# Altium PCB PIF_robot.PcbDoc (part 1 of 2) (continued)
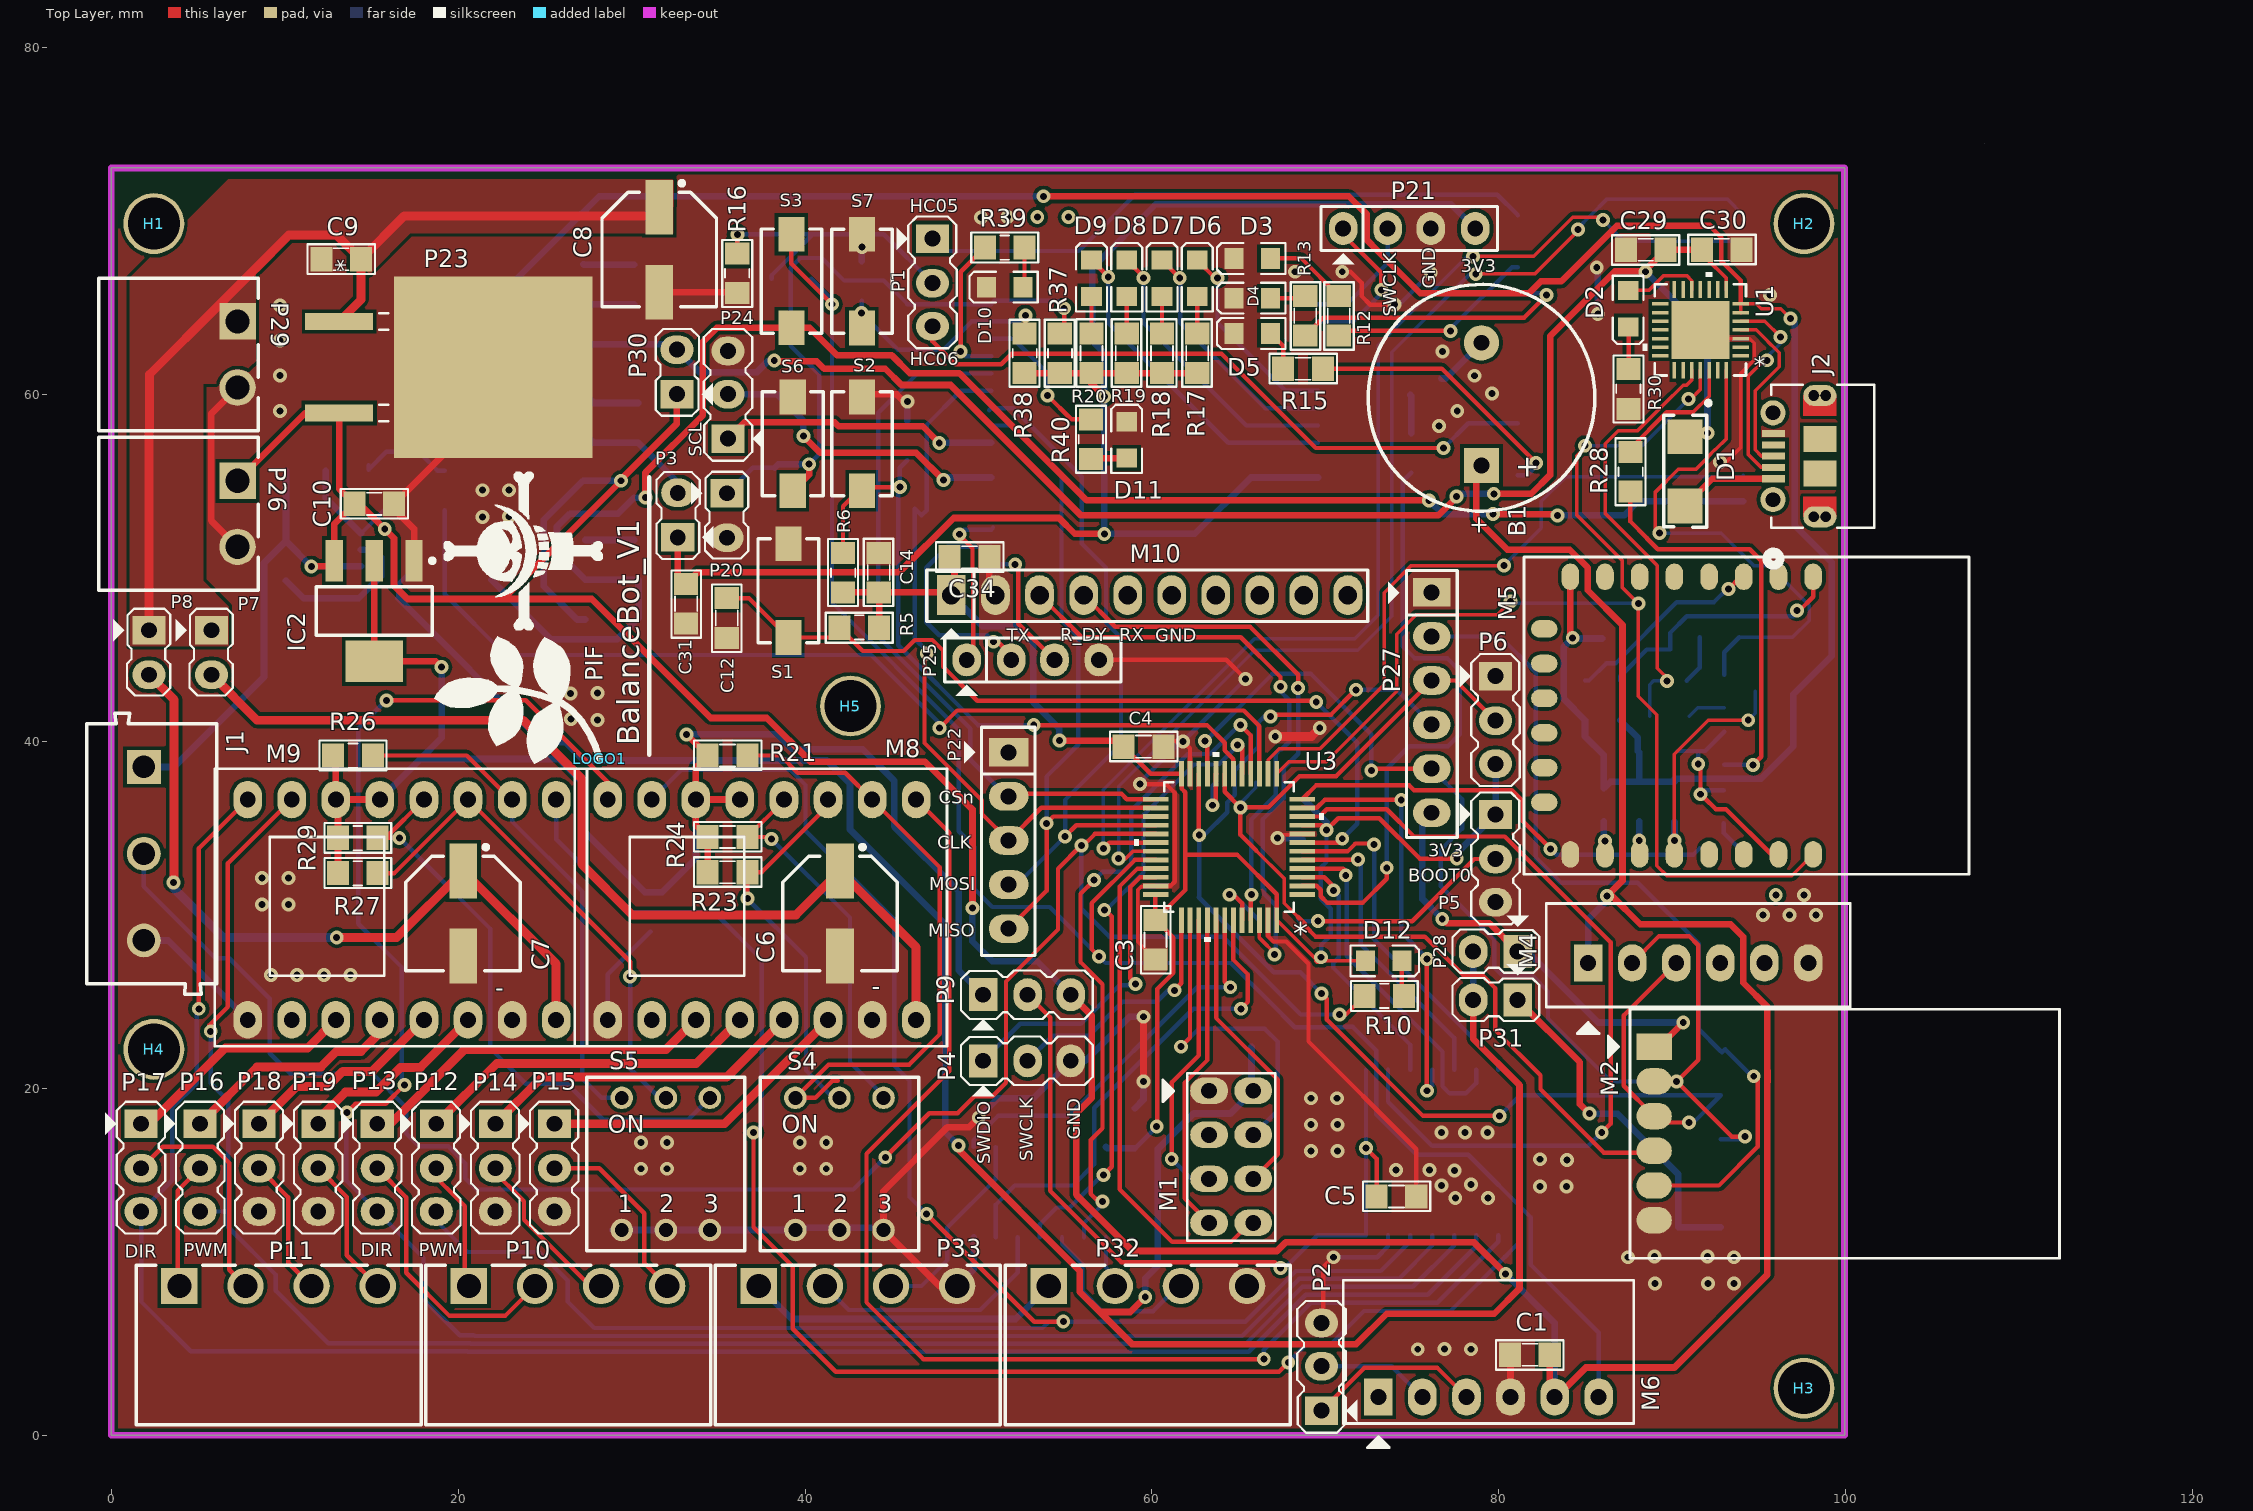
[diagram p0: Top Layer view]
## Components (designator, comment, footprint, x,y, rotation, side; value= is the part's Value field where it differs from the comment) (continued)
R28 "Res-1K-0805" RES-SM-0805 87.579,56.688 r270 top value=1K
R29 "Res-1K-0805" RES-SM-0805 15.367,34.442 r180 top value=1K
R30 "Res-1K-0805" RES-SM-0805 87.478,59.177 r90 top value=1K
R31 "Res-12K-0805" RES-SM-0805 93.854,45.999 r180 bottom value=12K
R32 "Res-12K-0805" RES-SM-0805 90.971,41.453 r180 bottom value=12K
R33 "Res-4.7K-0805" RES-SM-0805 12.368,55.615 r180 bottom value=4.7K
R34 "Res-100K-0805" RES-SM-0805 19.226,53.329 r90 bottom value=100K
R37 "Res-10k-0805" RES-SM-0805 54.686,63.52 r270 top value=10K
R38 "Res-10k-0805" RES-SM-0805 52.654,63.52 r270 top value=10K
R39 "Res-1K-0805" RES-SM-0805 52.654,68.473 r180 top value=1K
R40 "Res-1K-0805" RES-SM-0805 56.49,56.281 r90 top value=1K
S1 "434113043826" 434113043826 39.04,48.691 r90 top
S2 "434113043826" 434113043826 43.282,57.15 r90 top
S3 "434113043826" 434113043826 39.218,66.539 r90 top
S4 "418117170903" 418117170903 41.986,15.646 r0 top locked
S5 "418117170903" 418117170903 31.979,15.646 r0 top
S6 "434113043826" 434113043826 39.294,57.15 r90 top locked
S7 "434113043826" 434113043826 43.282,66.532 r90 top
U1 "" CP2102-GM 91.618,63.723 r180 top locked
U2 "DWM1001" DWM1001 69.571,66.212 r180 bottom locked
U3 "STM32F103C8T6" LQFP-48 64.445,33.92 r180 top locked
U4 "74HC245D,652" SOT163-1_NEX 78.054,16.306 r270 bottom
U5 "XC6204B332MR" XC6204/05_SOT-00 15.797,51.043 r0 bottom
U6 "74HC14D,652" SOT108-1_NEX 53.543,14.02 r90 bottom

## Footprints (in the part's own frame and the unit in brackets; to place one, negate y for a bottom-side part, rotate by r counter-clockwise, add the part's x,y. Pads: shape width x height; smd on the part's side, far side on the other; paste and mask are expansions set on the pad)
418117170903 [mm] "2.54 mm compact THT with flat actuator, 3p"
  round 1.3 hole 0.8: 1(-2.54,-3.81) 2(0,-3.81) 3(2.54,-3.81) 4(2.54,3.81) 5(0,3.81) 6(-2.54,3.81)
  silkscreen extent -4.56,-5 4.56,5, body extent -4.46,-4.95 4.46,4.95, height 5.75
434113043826 [mm] "SMD Tact Switch, body 6x3.5mm"
  rect 2x1.5 smd: 1(-2.7,0) 2(2.7,0)
  silkscreen extent -3,-1.75 3,1.75, body extent -3.65,-1.75 3.65,1.75, height 4.3
691102710003 [mm] "5,00mm - modular - blue - Horizontal entry with pressure clamp - 9,9 mm height - 03p"
  rect 1.95x1.95 hole 1.3: 1(-5,-0.45)
  round 1.95 hole 1.3: 2(0,-0.45) 3(5,-0.45)
  silkscreen extent -8.1,-3.75 8.1,3.75, body extent -8.1,-3.75 8.1,3.75, height 9.96
691322310002 [mm] "Horizontal PCB Header, pitch 3.81mm, 02p"
  rect 2.1x2.1 hole 1.4: 1(-1.905,3.4)
  round 2.1 hole 1.4: 2(1.905,3.4)
  silkscreen extent -4.4,-4.6 4.41,4.6, body extent -4.4,-4.6 4.41,4.6, height 7.25
691322310004 [mm] "Horizontal PCB Header, pitch 3.81mm, 04p"
  rect 2.1x2.1 hole 1.4: 1(-5.715,3.4)
  round 2.1 hole 1.4: 2(-1.905,3.4) 3(1.905,3.4) 4(5.715,3.4)
  silkscreen extent -8.21,-4.6 8.22,4.6, body extent -8.21,-4.6 8.21,4.6, height 7.25
BUZZER [mil] "Buzzer"
  rect 80x80 hole 36: 1(1.27,0)
  round 80 hole 36: 2(280,0)
  silkscreen extent -102,-257 412,257
CAP-SM-0805 [mil]
  rect 50x55 smd: 1(0,0) 2(90,0)
  silkscreen extent -32,-34 121,33, body extent 6,-25 84,25, height 31
CAP-SM-AL-SIZE-D-D6L6 [mm] "WH6.6"
  rect 3.15x1.6 smd: 1(-2.45,0) 2(2.45,0)
  silkscreen extent -3.95,-3.3 3.3,3.3, body extent -3.9,-3.4 3.9,3.4, height 5.7
CAP_SM_TAN [mil]
  rect 49.98x87 smd: 1(-65,0) 2(65,0)
  silkscreen extent -78,-64 78,64, body extent -73,-60 73,58, height 85
CONN_105017-0001 [mil]
  rect 16x53 smd: 1(-51.18,112) 2(-25.59,112) 3(0,112) 4(25.59,112) 5(51.18,112)
  round 57 hole 33: 6(-98.43,112.98) 7(98.43,112.98)
  rect 59x75 smd: 10(-39.37,6.69) 11(39.37,6.69)
  oval 48x75 hole 1 mask+0: S_1(-137.8,6.69) S_2(137.8,6.69)
  round 24 hole 24: S_1_H1(-137.8,20.19) S_1_H2(-137.8,-6.81) S_2_H1(137.8,20.19) S_2_H2(137.8,-6.81)
  Top Layer region: -91.8,-30.81 -91.8,44.19 -137.8,44.19 -137.8,-30.81
  Top Layer region: 91.8,-30.81 91.8,44.19 137.8,44.19 137.8,-30.81
  Multi-Layer lines w24: -137.8,20.19 -137.8,-6.81 ; 137.8,20.19 137.8,-6.81
  silkscreen extent -247,-117 162,127, body extent -161,-95 161,118, height 108
CP2102-GM [mil]
  rect 38x8 smd paste+0 mask+0: 1(-91.5,59.06) 2(-91.5,39.37) 3(-91.5,19.68) 4(-91.5,0) 5(-91.5,-19.69) 6(-91.5,-39.37) 7(-91.5,-59.06) 15(91.5,-59.06) 16(91.5,-39.37) 17(91.5,-19.69) 18(91.5,0) 19(91.5,19.68) 20(91.5,39.37) 21(91.5,59.06)
  rect 8x38 smd paste+0 mask+0: 8(-59.06,-91.5) 9(-39.37,-91.5) 10(-19.69,-91.5) 11(0,-91.5) 12(19.69,-91.5) 13(39.37,-91.5) 14(59.06,-91.5) 22(59.06,91.5) 23(39.37,91.5) 24(19.69,91.5) 25(0,91.5) 26(-19.69,91.5) 27(-39.37,91.5) 28(-59.06,91.5)
  rect 132x132 smd paste-65.5 mask+0: 29(0,0)
  silkscreen extent -104,-130 130,104, body extent -98,-98 99,99, height 37
D2PAK_STM [mil]
  rect 39x154 smd paste+0 mask+0: 1(-103.94,-349.5) 3(103.94,-349.5)
  rect 411x451 smd paste+0 mask+0: 4(0,0)
  silkscreen extent -122,-258 122,-239, body extent -204,-378 204,153, height 181
DRV8825 [mil]
  oval 85x65 hole 36: 1(0,0) 2(0,100) 3(0,200) 4(0,300) 5(0,400) 6(0,500) 7(0,600) 8(0,700) 9(500,700) 10(500,600) 11(500,500) 12(500,400) 13(500,300) 14(500,200) 15(500,100) 16(500,0)
  silkscreen extent -70,-75 560,770, body extent -45,-50 545,750, height 598
DWM1001 [mm]
  rect 2.54x0.65 smd paste+0 mask+0: 1(0,0) 2(0,-1) 3(0,-2) 4(0,-3) 5(0,-4) 6(0,-5) 7(0,-6) 8(0,-7) 9(0,-8) 10(0,-9) 11(0,-10) 12(0,-11) 13(0,-12) 14(0,-13) 15(0,-14) 16(0,-15) 17(0,-16) 18(18.84,-16) 19(18.84,-15) 20(18.84,-14) 21(18.84,-13) 22(18.84,-12) 23(18.84,-11) 24(18.84,-10) 25(18.84,-9) 26(18.84,-8) 27(18.84,-7) 28(18.84,-6) 29(18.84,-5) 30(18.84,-4) 31(18.84,-3) 32(18.84,-2) 33(18.84,-1) 34(18.84,0)
  silkscreen extent -1.65,-17.65 20.57,9.65, body extent -0.17,-17.15 18.96,8.97, height 3.2
ESP8266-12F [mil]
  oval 60x40 smd: 1(0,551.18) 2(0,472.44) 3(0,393.7) 4(0,314.96) 5(0,236.22) 6(0,157.48) 7(0,78.74) 8(0,0) 15(629.92,0) 16(629.92,78.74) 17(629.92,157.48) 18(629.92,236.22) 19(629.92,314.96) 20(629.92,393.7) 21(629.92,472.44) 22(629.92,551.18)
  oval 40x60 smd: 9(118.11,-59.06) 10(196.85,-59.06) 11(275.59,-59.06) 12(354.33,-59.06) 13(433.07,-59.06) 14(511.81,-59.06)
  silkscreen extent -45,-105 675,905, body extent 0,-59 630,886, height 104
GY9250 [mil] "JP8"
  rect 65x90 hole 42: 1(0,0)
  oval 65x90 hole 42: 2(100,0) 3(200,0) 4(300,0) 5(400,0) 6(500,0) 7(600,0) 7(800,0) 8(700,0) 8(900,0)
  silkscreen extent -56,-100 945,57, body extent -50,-61 950,530, height 267
HC-12 [mil]
  oval 80x60 smd: 1(0,0) 2(0,100) 3(0,200) 4(0,300) 5(0,400)
  silkscreen extent -1100,-450 125,480, body extent -1081,-65 9,459, height 1020
"HC-0506 SMD" [mil]
  oval 60x40 smd: 1(0,708.66) 2(0,649.61) 3(0,590.55) 4(0,531.5) 5(0,472.44) 6(0,413.39) 7(0,354.33) 8(0,295.28) 9(0,236.22) 10(0,177.17) 11(0,118.11) 12(0,59.06) 13(0,0) 22(511.81,0) 23(511.81,59.06) 24(511.81,118.11) 25(511.81,177.17) 26(511.81,236.22) 27(511.81,295.28) 28(511.81,354.33) 29(511.81,413.39) 30(511.81,472.44) 31(511.81,531.5) 32(511.81,590.55) 33(511.81,649.61) 34(511.81,708.66)
  oval 40x60 smd: 14(49.21,-68.9) 15(108.27,-68.9) 16(167.32,-68.9) 17(226.38,-68.9) 18(285.43,-68.9) 19(344.49,-68.9) 20(403.54,-68.9) 21(462.6,-68.9)
  silkscreen extent -50,-115 565,1050, body extent -20,-70 532,1033, height 93
"HC-0506 TH" [mil]
  rect 85x65 hole 36: 1(0,0)
  oval 85x65 hole 36: 2(0,100) 3(0,200) 4(0,300) 5(0,400) 6(0,500)
  silkscreen extent -265,-80 115,580, body extent -247,-64 11,566, height 1678
Holybro-Radio [mil]
  rect 85x65 hole 36: 1(0,0)
  oval 85x65 hole 36: 2(0,100) 3(0,200) 4(0,300) 5(0,400) 6(0,500)
  silkscreen extent -135,-95 160,595, body extent -132,-92 98,592, height 284
JP2 [mil]
  rect 65x75 hole 36: 1(0,0)
  oval 65x75 hole 36: 2(101,0)
  silkscreen extent -49,-81 148,48, body extent -48,-50 148,48, height 323
JP3 [mil] "Jumper 3"
  rect 65x75 hole 36: 1(-100,0)
  oval 65x75 hole 36: 2(1,0) 3(99,0)
  silkscreen extent -150,-81 149,55, body extent -150,-60 150,55, height 355
JP4 [mil] "Jumper 4"
  oval 65x75 hole 36: 1(-100,0) 2(1,0) 3(99,0) 4(200,0)
  silkscreen extent -150,-81 250,50, body extent -148,-48 248,50, height 323
JP5 [mil] "JP5"
  rect 65x90 hole 36: 1(0,0)
  oval 65x90 hole 36: 2(100,0) 3(200,0) 4(300,0) 5(400,0)
  silkscreen extent -57,-101 461,60, body extent -48,-53 448,45, height 323
JP6 [mil] "JP6"
  rect 65x85 hole 36: 1(0,0)
  oval 65x85 hole 36: 2(100,0) 3(200,0) 4(300,0) 5(400,0) 6(500,0)
  silkscreen extent -50,-99 556,58, body extent -48,-50 548,48, height 323
LC12S [mil]
  rect 80x60 smd: 1(0,0)
  oval 80x60 smd: 2(0,78.74) 3(0,157.48) 4(0,236.22) 5(0,314.96) 6(0,393.7)
  silkscreen extent -920,-85 105,480, body extent -908,-71 9,469, height 79
LED_0805_Blue [mm] "Chip LED, 2-Leads, Body 2.0x1.3mm, IPC Medium Density"
  rect 1.1x1.2 smd: 1(-1.05,0) 2(1.05,0)
  silkscreen extent -1.91,-0.89 2.03,0.89, body extent -1,-0.63 1,0.62, height 0.68
"LO KHOAN 3MM"#1 [mil]
  round 138 hole 118.1: 1(-89,1)
"LO KHOAN 3MM"#2 [mil]
  round 138 hole 118.1: 1(-120,39.24)
"LO KHOAN 3MM"#3 [mil]
  round 138 hole 118.1: 1(-211,37)
"LO KHOAN 3MM"#4 [mil]
  round 138 hole 118.1: 1(13,-37)
"LO KHOAN 3MM"#5 [mil]
  round 138 hole 118.1: 1(0,0)
LQFP-48 [mil]
  rect 58x11 smd: 1(-166,108.27) 2(-166,88.58) 3(-166,68.9) 4(-166,49.21) 5(-166,29.53) 6(-166,9.84) 7(-166,-9.84) 8(-166,-29.53) 9(-166,-49.21) 10(-166,-68.9) 11(-166,-88.58) 12(-166,-108.27) 25(166,-108.27) 26(166,-88.58) 27(166,-68.9) 28(166,-49.21) 29(166,-29.53) 30(166,-9.84) 31(166,9.84) 32(166,29.53) 33(166,49.21) 34(166,68.9) 35(166,88.58) 36(166,108.27)
  rect 11x58 smd: 13(-108.27,-166) 14(-88.58,-166) 15(-68.9,-166) 16(-49.21,-166) 17(-29.53,-166) 18(-9.84,-166) 19(9.84,-166) 20(29.53,-166) 21(49.21,-166) 22(68.9,-166) 23(88.58,-166) 24(108.27,-166) 37(108.27,166) 38(88.58,166) 39(68.9,166) 40(49.21,166) 41(29.53,166) 42(9.84,166) 43(-9.84,166) 44(-29.53,166) 45(-49.21,166) 46(-68.9,166) 47(-88.58,166) 48(-108.27,166)
  silkscreen extent -215,-215 215,215, body extent -181,-181 181,181, height 66
NRF24L01 [mil]
  oval 86x60 hole 36: 1(0,0) 2(-100,0) 3(0,100) 4(-100,100) 5(0,200) 6(-100,200) 7(0,300) 8(-100,300)
  silkscreen extent -150,-40 105,340, body extent -2827,-150 86,451, height 3861
"PIF LOGO BIG SSTOP" [mil]
  rect 15x15 smd: 1(11,14)
  silkscreen extent 0,14 289,389
RES-SM-0805 [mil]
  rect 50x55 smd: 1(0,0) 2(90,0)
  silkscreen extent -31,-34 121,34, body extent -5,-24 95,25, height 20
SOT23_NEX [mil]
  rect 22x52 smd paste+0 mask+4: 1(-37.5,-37.21) 2(37.5,-37.21) 3(0,33.36)
  silkscreen extent -85,-50 64,33, body extent -59,-54 59,44, height 43
SOT108-1_NEX [mil]
  rect 67x21 smd paste+0 mask+0: 1(-102.5,150) 2(-102.5,100) 3(-102.5,50) 4(-102.5,0) 5(-102.5,-50) 6(-102.5,-100) 7(-102.5,-150) 8(102.5,-150) 9(102.5,-100) 10(102.5,-50) 11(102.5,0) 12(102.5,50) 13(102.5,100) 14(102.5,150)
  silkscreen extent -84,-177 156,177, body extent -122,-172 122,172, height 69
SOT163-1_NEX [mil]
  rect 71x21 smd paste+0 mask+0: 1(-188,225) 2(-188,175) 3(-188,125) 4(-188,75) 5(-188,25) 6(-188,-25) 7(-188,-75) 8(-188,-125) 9(-188,-175) 10(-188,-225) 11(188,-225) 12(188,-175) 13(188,-125) 14(188,-75) 15(188,-25) 16(188,25) 17(188,75) 18(188,125) 19(188,175) 20(188,225)
  silkscreen extent -244,-261 244,261, body extent -209,-256 209,256, height 104
SOT223 [mm] "SOT223, 4-Leads, Body 6.5x3.5mm, Pitch 2.3mm, Lead Span 7mm, IPC Medium Density"
  rect 2.4x1 smd: 1(-2.9,2.3) 2(-2.9,0) 3(-2.9,-2.3)
  rect 2.4x3.3 smd: 4(2.9,0)
  silkscreen extent -3.03,-3.35 1.4,3.47, body extent -3.39,-3.27 3.5,3.23, height 1.72
SS14 [mm] "DO-214-AC/SMA Molded Diode, Body 5.3x2.6mm, IPC Medium Density"
  rect 1.999x1.999 smd: 1(-2,0) 2(2,0)
  silkscreen extent -4.06,-1.22 3.23,1.47, body extent -2.75,-1.4 2.75,1.4, height 2.3
XC6204/05_SOT-00 [mil]
  rect 60x21 smd: 1(-54.75,37.4) 2(-54.75,0) 3(-54.75,-37.4) 4(54.75,-37.4) 5(54.75,37.4)
  silkscreen extent -38,-62 38,62, body extent -56,-57 54,57, height 51

## Part data
C1 C2 C3 C4 C5 C12 C13 C17 C20 C21 C22 C23 C24 C26 C28 C30 C31 C32 C33 C34: "CAP CER 0.1UF 50V Y5V 0805", Manufacturer="Samsung Electro-Mechanics", Manufacturer Part Number=CL21F104ZBCNNNC, Supplier 1 Part Number=1276-1007-1-ND, Local Supplier=thegioiic, Local Supplier Link=https://thegioiic.com/products/tu-100nf-0-1uf-50v-0805, Supplier 1=Digikey, Supplier 1 Link=https://www.digikey.com/product-detail/en/samsung-electro-mechanics/CL21F104ZBCNNNC/1276-1007-1-ND/3889093
C6 C7 C8: "CAP ALUM 100UF 20% 16V SMD", Manufacturer=Nichicon, Manufacturer Part Number=UWX1C101MCL1GB, Supplier 1 Part Number=493-2105-1-ND, Local Supplier=thegioiic, Local Supplier Link=https://thegioiic.com/products/tu-nhom-smd-100uf-16v-d6-3l5-4, Supplier 1=Digikey, Supplier 1 Link=https://www.digikey.com/product-detail/en/nichicon/UWX1C101MCL1GB/493-2105-1-ND/590080
C9 C10 C11 C14 C15 C16 C18 C19 C27 C29: "CAP CER 10UF 50V X5R 0805", Manufacturer=Yageo, Manufacturer Part Number=CC0805KKX5R9BB106, Supplier 1 Part Number=311-3499-2-ND, Local Supplier=thegioiic, Local Supplier Link=https://thegioiic.com/products/tu-10uf-50v-0805, Supplier 1=Digikey, Supplier 1 Link=https://www.digikey.com/product-detail/en/yageo/CC0805KKX5R9BB106/311-3499-2-ND/7164383
C25: library part Cap-Tan-100uF-16V, Manufacturer=Nichicon, Manufacturer Part Number=UWX1C101MCL1GB, Supplier 1 Part Number=493-2105-1-ND, Local Supplier=icdayroi, Local Supplier Link=https://icdayroi.com/tu-tantalum-100uf-16v-smd6032, Supplier 1=Digikey, Supplier 1 Link=https://www.digikey.com/product-detail/en/nichicon/UWX1C101MCL1GB/493-2105-1-ND/590080
D1: library part Diode-SS14, "DIODE SCHOTTKY 40V 1A SMA", Manufacturer="ON Semiconductor", Supplier 1 Part Number=SS14CT-ND, Local Supplier=thegioiic, Local Supplier Link=https://thegioiic.com/products/ss14-sma, Manufacturer Part Number=SS14, Supplier 1=Digikey, Supplier 1 Link=https://www.digikey.com/product-detail/en/on-semiconductor/SS14/SS14CT-ND/965729
D2 D5 D6 D7 D10 D11 D12: "LED RED CLEAR T-1 T/H", Manufacturer=Kingbright, Manufacturer Part Number=WP710A10SEC/J3, Supplier 1 Part Number=754-1589-ND, Local Supplier=thegioiic, Local Supplier Link=https://thegioiic.com/products/led-do-3mm-chan-dai, Supplier 1=Digikey, Supplier 1 Link=https://www.digikey.com/product-detail/en/kingbright/WP710A10SEC-J3/754-1589-ND/2769815
D3 D9: "LED GREEN CLEAR T-1 T/H", Manufacturer=Kingbright, Manufacturer Part Number=WP710A10ZGC/G, Supplier 1 Part Number=754-1612-ND, Local Supplier=thegioiic, Local Supplier Link=https://thegioiic.com/products/led-xanh-la-3mm-chan-dai, Supplier 1=Digikey, Supplier 1 Link=https://www.digikey.com/product-detail/en/kingbright/WP710A10ZGC-G/754-1612-ND/2769684
H1 H2 H3 H4 H5: "Hole 3mm"
IC1 IC2 IC3 IC4: "Available in 1.8V, 2.5V, 2.85V, 3.3V, 5V, and  Adjustable Versions"
J1: "WR-TBL Serie 102 Horizontal Entry Modular, Pressure Clamp, pitch 5mm, 3p", Operating Temperature="-40 to +105degC", Rated Current [UL]=15A, Working Voltage [UL]=250VAC, Application="Pressure Clamp", Compliance="Lead free / RoHS", ComponentLink1Description=Manufacturer, ComponentLink1URL=http://www.we-online.de, ComponentLink2Description=Datasheet, ComponentLink2URL=https://katalog.we-online.de/em/datasheet/691102710003.pdf, Modularity=Yes, Mounting Technology=THT, Packaging=Box, Part Number=691102710003, PCB/Cable/Panel=PCB, Pin Number=3, Pitch=5mm, Published Date="October 2019", Publisher="Wurth Elektronik", Type=Horizontal
J2 U3: "No Description Available", Copyright="Copyright (C) 2018 Accelerated Designs. All rights reserved", RefDes=RefDes, Type=DEV
  J2: Built_By=EMA_Cory, Datasheet=https://www.molex.com/pdm_docs/sd/1050170001_sd.pdf, Manufacturer_Part_Number=105017-0001, SourceLibrary=Molex_2020-05-26, Vendor="Molex Connector Corporation"
  U3: Built_By=EMA_UL_Team, Manufacturer_Part_Number=STM32F103C8T6, SourceLibrary=StMicro_2011-06-07, Vendor=STMicroelectronics
M1: Local Supplier Part Number=HS000888, Local Supplier=HShop, Local Supplier Link=https://hshop.vn/products/mach-thu-phat-nrf24l01-pa-2-4ghzcu-khech-dai-cung-suat-thu-phat
M2: Local Supplier Part Number=HS00095, Local Supplier=HShop, Local Supplier Link=https://hshop.vn/products/mach-thu-phat-rf-uart-lc12s-2-4ghz?fbclid=IwAR3h1hU0io-Cc4GBL9Q-KMB_-TKtvE-b63OAEmRNHthVrXHliy_JpDId3Yg
M3: Local Supplier Part Number=HS000897, Local Supplier=HShop, Local Supplier Link=https://hshop.vn/products/mach-thu-phat-rf-uart-si4463-433mhzkhoang-coch-1km
M5: Local Supplier Part Number=HS000912, Local Supplier=HShop, Local Supplier Link=https://hshop.vn/products/mach-thu-phat-wifi-soc-esp8266-v12
M6: Local Supplier Part Number=HS000882, Local Supplier=HShop, Local Supplier Link=https://hshop.vn/products/mach-thu-phat-bluetooth-hc-05-do-ra-chon-master
M7: Local Supplier Part Number=HS000881, Local Supplier=HShop, Local Supplier Link=https://hshop.vn/products/mach-thu-phat-bluetooth-hc-05-chua-ra-chon-master
M8 M9: Local Supplier Part Number=HS000686, Local Supplier=HShop, Local Supplier Link=https://hshop.vn/products/mach-dieu-khien-dong-co-buoc-drv8825
P1 P2 P4 P5 P6 P9 P12 P13 P14 P15 P16 P17 P18 P19 P24: "Header, 3-Pin", LatestRevisionDate=17-Jul-2002, LatestRevisionNote="Re-released for DXP Platform.", Publisher="Altium Limited"
P3 P7 P8 P20 P28 P30 P31: "Header, 2-Pin", LatestRevisionDate=17-Jul-2002, LatestRevisionNote="Re-released for DXP Platform.", Publisher="Altium Limited"
P10 P11 P32 P33: "WR-TBL Serie 322 Horizontal PCB Header, Pluggable, pitch 3.81mm, 4p", Operating Temperature="-40 to +105degC", Rated Current [UL]=10A, Working Voltage [UL]=300VAC, Application=Pluggable, Compliance=RoHS, ComponentLink1Description=Manufacturer, ComponentLink1URL=http://www.we-online.de, ComponentLink2Description=Datasheet, ComponentLink2URL=https://katalog.we-online.de/em/datasheet/691322310004.pdf, Modularity=No, Mounting Technology=THT, Packaging=Box, Part Number=691322310004, PCB/Cable/Panel=PCB, Pin Number=4, Pitch=3.81mm, Published Date="October 2019", Publisher="Wurth Elektronik", Type=Horizontal
P21 P25: "Header, 4-Pin", LatestRevisionDate=17-Jul-2002, LatestRevisionNote="Re-released for DXP Platform.", Publisher="Altium Limited"
P22: "Header, 5-Pin", LatestRevisionDate=17-Jul-2002, LatestRevisionNote="Re-released for DXP Platform.", Publisher="Altium Limited"
P26 P29: "WR-TBL Serie 322 Horizontal PCB Header, Pluggable, pitch 3.81mm, 2p", Operating Temperature="-40 to +105degC", Rated Current [UL]=10A, Working Voltage [UL]=300VAC, Application=Pluggable, Compliance=RoHS, ComponentLink1Description=Manufacturer, ComponentLink1URL=http://www.we-online.de, ComponentLink2Description=Datasheet, ComponentLink2URL=https://katalog.we-online.de/em/datasheet/691322310002.pdf, Modularity=No, Mounting Technology=THT, Packaging=Box, Part Number=691322310002, PCB/Cable/Panel=PCB, Pin Number=2, Pitch=3.81mm, Published Date="October 2019", Publisher="Wurth Elektronik", Type=Horizontal
P27: "Header, 6-Pin", LatestRevisionDate=17-Jul-2002, LatestRevisionNote="Re-released for DXP Platform.", Publisher="Altium Limited"
Q1 Q2: "P-Channel 20V 3.7A (Ta) 1.3W (Ta) Surface Mount Micro3™/SOT-23"
R1 R2 R3 R4 R22 R31 R32: "RES 12 KOHM JUMPER 0805", Manufacturer="Vishay Thin Film", Manufacturer Part Number=PAT0805E3121BST1, Supplier 1 Part Number=PAT0805E3121BST1-ND, Local Supplier=icdayroi, Local Supplier Link=https://icdayroi.com/dien-tro-12k-0805-1-goi-50-con, Supplier 1=Digikey, Supplier 1 Link=https://www.digikey.com/product-detail/en/vishay-thin-film/PAT0805E3121BST1/PAT0805E3121BST1-ND/2281536
R5 R6 R16 R37 R38: "RES 10K OHM 1% 1/4W 0805", Manufacturer="Stackpole Electronics Inc", Manufacturer Part Number=RNCP0805FTD10K0, Supplier 1 Part Number=RNCP0805FTD10K0CT-ND, Local Supplier=thegioiic, Local Supplier Link=https://thegioiic.com/products/dien-tro-10k-ohm-0805-5, Supplier 1=Digikey, Supplier 1 Link=https://www.digikey.com/product-detail/en/stackpole-electronics-inc/RNCP0805FTD10K0/RNCP0805FTD10K0CT-ND/2240601
R7: "RES 15K OHM 1% 1/4W 0805", Manufacturer="TE Connectivity Passive Product", Manufacturer Part Number=CRGCQ0805F15K, Supplier 1 Part Number=A129763CT-ND, Local Supplier=thegioiic, Local Supplier Link=https://thegioiic.com/products/dien-tro-15k-ohm-0805-1, Supplier 1=Digikey, Supplier 1 Link=https://www.digikey.com/product-detail/en/te-connectivity-passive-product/CRGCQ0805F15K/A129763CT-ND/8577595
R8 R9 R34: "RES 0 OHM JUMPER 0805", Manufacturer="Vishay Dale", Manufacturer Part Number=WSL080500000ZEA9, Supplier 1 Part Number=541-3928-1-ND, Local Supplier=thegioiic, Local Supplier Link=https://thegioiic.com/products/dien-tro-0-ohm-0805-5, Supplier 1=Digikey, Supplier 1 Link=https://www.digikey.com/product-detail/en/vishay-dale/WSL080500000ZEA9/541-3928-1-ND/7423223
R10 R11 R17 R18 R19 R20 R21 R23 R24 R25 R26 R27 R28 R29 R30 R39 R40: "RES 1K OHM 1% 1/4W 0805", Manufacturer="Stackpole Electronics Inc", Manufacturer Part Number=RNCP0805FTD1K00, Supplier 1 Part Number=RNCP0805FTD1K00CT-ND, Local Supplier=thegioiic, Local Supplier Link=https://thegioiic.com/products/dien-tro-1k-ohm-0805-5, Supplier 1=Digikey, Supplier 1 Link=https://www.digikey.com/product-detail/en/stackpole-electronics-inc/RNCP0805FTD1K00/RNCP0805FTD1K00CT-ND/2240568
R12 R13 R15: "RES 470 OHM JUMPER 0805", Manufacturer=YAG6006CT-ND, Manufacturer Part Number=PE0805FRF7W0R047L, Local Supplier=thegioiic, Local Supplier Link=https://www.thegioiic.com/products/dien-tro-470-kohm-0805-5, Supplier 1=Digikey, Supplier 1 Link=https://www.digikey.com/product-detail/en/yageo/PE0805FRF7W0R047L/YAG6006CT-ND/9696460, Supplier 1 Part Number=YAG6006CT-ND
R14: "RES SMD 2.2K OHM 1% 1/8W 0805", Manufacturer="TE Connectivity Passive Product", Manufacturer Part Number=CRG0805F2K2, Supplier 1 Part Number=A106060CT-ND, Local Supplier=thegioiic, Local Supplier Link=https://thegioiic.com/products/dien-tro-2-2k-ohm-0805-5, Supplier 1=Digikey, Supplier 1 Link=https://www.digikey.com/product-detail/en/te-connectivity-passive-product/CRG0805F2K2/A106060CT-ND/3477706
R33: "RES SMD 4.7K OHM 5% 1/8W 0805", Manufacturer=Yageo, Manufacturer Part Number=RC0805JR-074K7L, Supplier 1 Part Number=311-4.7KARCT-ND, Local Supplier=thegioiic, Local Supplier Link=https://thegioiic.com/products/dien-tro-4-7k-ohm-0805-5, Supplier 1=Digikey, Supplier 1 Link=https://www.digikey.com/product-detail/en/yageo/RC0805JR-074K7L/311-4.7KARCT-ND/731274
S1 S2 S3 S6 S7: "WS-TASV J-Bend SMT Tact Switch 6x3.5mm, height 4.3mm, 260gf", Operating Temperature="-40 to +85degC", Rated Current=50mA, Rated Voltage=12VDC, ComponentLink1Description=Manufacturer, ComponentLink1URL=http://www.we-online.de, ComponentLink2Description=Datasheet, ComponentLink2URL=https://katalog.we-online.com/em/datasheet/434113043826.pdf, Contact Material="Stainless Steel", Contact Plating=Silver, Height=4.3mm, Mounting Technology=SMT, Operation Force=260gf, Packaging="Tape and Reel", Part Number=434113043826, Published Date="September 2019", Publisher="Wurth Elektronik", Terminal Material="Copper Alloy", Terminal Plating=Silver, Washable=No
S4 S5: "WS-DITV Compact THT Dip Switch, Flat Actuator, pitch 2.54mm, 3p", Operating Temperature="-40 to +85degC", Rated Current Non-Switching=100mA, Rated Current Switching=25mA, Rated Voltage Non-Switching=50VDC, Rated Voltage Switching=24VDC, Actuator Type="Flat Type", Circuit=SPST-NO, ComponentLink1Description=Manufacturer, ComponentLink1URL=http://www.we-online.de, ComponentLink2Description=Datasheet, ComponentLink2URL=https://katalog.we-online.com/em/datasheet/418117170903.pdf, Contact Material="Copper Alloy", Contact Plating=Gold, Mounting Technology=THT, Operation Force=800g, Packaging=Tube, Part Number=418117170903, Pitch=2.54mm, Pole Number=3, Published Date="September 2019", Publisher="Wurth Elektronik"
U1: library part CP2102-GM, "No Description Available", Built_By=EMA_UL_Team, Copyright="Copyright (C) 2018 Accelerated Designs. All rights reserved", Manufacturer_Part_Number=CP2102-GM, RefDes=RefDes, SourceLibrary=Silicon_Labs_2015-03-23, Type=DEV, Vendor="Silicon Labs"
M4: Local Supplier Link=https://www.lazada.vn/products/ld-holybro-433mhz-915-mhz-500-mw-thu-phat-vo-tuyen-xa-bo-v3-cho-pixhawk-4-dieu-khien-chuyen-bay-i430804435-s768474304.html?spm=a2o4n.searchlist.list.4.25396b19yIS9XO&search=1
M10: Local Supplier=HShop
U5: Built_By=EMA_UL_Team, Copyright="Copyright (C) 2018 Accelerated Designs. All rights reserved", Manufacturer_Part_Number=XC6204B332MR, RefDes=RefDes, SourceLibrary=Torex_2016-07-05_1, Type=DEV, Vendor="Torex Semiconductor"

## Via types
v1: diameter 0.8, hole 0.4, Top Layer to Bottom Layer, tented both sides, 240 vias
v2: diameter 0.8, hole 0.4, Top Layer to Bottom Layer, 2 vias

## Nets (pads, with @x,y where several pads share a name; then routed paths per layer and width w, separated by ;. In a path a pad name is that pad's centre, name@x,y a point inside that pad or via, vN(x,y) a via of type N, cw(c..) or ccw(c..) an arc to the next point about the centre after c; other vN are vias at no path point)
3V3: 
3V3_BLU: C19.2 IC4.2 IC4.4 M7.12 S3.1 | length 100.7
  Top Layer w0.381: v1(30.805,54.056) 30.805,55.494 34.112,58.801 34.112,63.043 34.908,63.839 S3.1@39.218,63.839 40.276,63.839 41.859,62.255 45.009,62.255 46.036,61.228 48.902,61.228 56.236,53.894 v1(75.971,53.894) ; v1(79.654,53.106) 83.312,53.106 v1(83.388,53.03)
  Bottom Layer w0.381: IC4.4@21.916,49.326 25.345,45.897 29.184,45.897 30.404,47.117 C19.2@30.404,49.326 IC4.2@27.716,49.326 27.335,49.326 25.705,50.956 25.705,52.381 26.46,53.136 29.235,53.136 30.155,54.056 v1(30.805,54.056) ; v1(75.971,53.894) 76.759,53.106 v1(79.654,53.106) ; v1(83.388,53.03) 87.224,53.03 88.035,53.842 M7.12@94.082,53.842
3V3_DWM: C16.2 IC3.2 IC3.4 P3.2 | length 12.3
  Bottom Layer w0.381: IC3.4@21.916,57.327 IC3.2@27.716,57.327 27.817,57.226 C16.2@30.378,57.226 32.664,54.94 P3.2@32.664,54.331
3V3_DWM_M: C31.2 P3.1 P21.4 R17.2 R18.2 R19.2 R20.2 R37.2 R38.2 U2.12 | length 94.3
  Top Layer w0.381: P3.1@32.664,51.765 32.664,49.555 C31.2@33.147,49.073 33.833,49.759 45.448,49.759 48.572,52.883 54.635,52.883 55.55,51.968 v1(57.252,51.968) ; R38.2@52.654,61.234 R37.2@54.686,61.234 ; R37.2@54.686,61.133 R37.2@54.686,61.234 ; v1(57.252,59.893) 56.515,60.63 R20.2@56.515,61.234 ; R17.2@62.611,61.234 R18.2@60.579,61.234 R19.2@58.547,61.234 R20.2@56.515,61.234 ; R37.2@54.686,61.234 R20.2@56.515,61.234
  Bottom Layer w0.381: v1@57.429,59.893 v1(57.252,59.893) ; U2.12@69.571,55.212 65.707,55.212 62.464,51.968 v1(57.252,51.968) v1(57.252,59.893) ; P21.4@78.638,69.565 77.241,70.962 60.223,70.962 56.566,67.305 56.566,63.068 57.252,62.382 v1(57.252,59.893)
3V3_ENC: P32.1 P33.1 | length 18.3
  Bottom Layer w0.381: P33.1@37.338,8.607 39.239,6.706 52.15,6.706 P32.1@54.051,8.607
3V3_MC: C15.2 IC2.2 IC2.4 M8.3 M8.4 M9.3 M9.4 P9.1 R21.2 R23.2 R24.2 R26.2 R27.2 R29.2 | length 92.4
  Top Layer w0.381: R26.2@12.802,39.191 12.954,39.039 M9.3@12.954,36.651 ; R27.2@13.081,32.41 R29.2@13.081,34.442 13.081,36.524 M9.3@12.954,36.651 ; IC2.2@15.164,50.42 IC2.4@15.164,44.62 18.711,44.62 v1(19.05,44.28) ; M9.4@15.494,36.651 M9.3@12.954,36.651 ; v1(33.172,40.411) R21.2@34.392,39.191 33.706,38.506 M8.3@33.706,36.651 ; R23.2@34.392,32.46 R24.2@34.392,34.492 33.706,35.178 M8.3@33.706,36.651 ; M8.4@36.309,36.766 36.195,36.651 M8.3@33.706,36.651
  Bottom Layer w0.381: M9.4@15.494,36.651 17.832,38.989 ; v1(19.05,44.28) 19.05,40.207 17.832,38.989 ; v1(33.172,40.411) 38.38,40.411 39.243,39.548 43.332,39.548 45.136,37.744 45.136,35.103 48.863,31.375 48.863,26.803 P9.1@50.267,25.4 ; M8.3@33.706,36.651 33.706,33.249 31.775,31.317 C15.2@31.09,31.317 30.76,31.317 27.102,34.976 27.102,37.694 25.806,38.989 17.832,38.989
3V3_MCU: C2.2 C3.2 C4.2 C14.2 C24.2 C34.2 D12.1 M10.1 P5.1 P6.3 R5.2 R6.2 U3.9 U3.24 U3.36 U3.48 U6.14 | length 98.3
  Top Layer w0.203: U3.48@67.195,29.704 69.544,27.355 D12.1@72.305,27.355
  Top Layer w0.254: M10.1@48.285,48.589 M10.1@48.438,48.437 ; C4.2@58.369,39.7 59.933,38.137 U3.24@61.695,38.137 61.725,38.107 61.725,37.263 61.919,37.07 61.919,33.477 ; U3.36@60.229,31.17 60.198,31.14 C3.2@60.198,29.718 ; v1(60.274,17.801) 60.299,17.825 60.299,25.73 61.238,26.67 61.238,28.678 C3.2@60.198,29.718 ; U3.48@67.195,29.704 67.188,29.711 67.188,31.194 64.905,33.477 61.919,33.477 ; U3.9@68.662,35.17 69.798,35.17 v1(70.063,34.906) 70.736,35.579 73.103,35.579 75.433,33.249 v1(77.572,33.249) ; C3.2@60.198,29.718 61.919,31.439 61.919,33.477
  Top Layer w0.279: v1@60.242,17.833 v1(60.274,17.801)
  Top Layer w0.381: R6.2@42.189,48.589 C14.2@44.249,48.589 ; R5.2@44.272,46.557 44.272,48.567 C14.2@44.249,48.589 ; M10.1@48.285,48.589 C14.2@44.249,48.589 ; M10.1@48.616,48.437 C34.2@48.616,50.464 ; v1(54.661,40.045) 58.025,40.045 C4.2@58.369,39.7 ; v1@69.544,27.355 v1(69.748,27.559)
  Bottom Layer w0.254: v1(69.748,27.559) 69.748,28.264 70.301,28.816 70.301,30.353 69.723,30.931 69.723,32.715 70.063,33.055 v1(70.063,34.906)
  Bottom Layer w0.279: C24.2@59.004,16.56 59.033,16.56 v1(60.274,17.801)
  Bottom Layer w0.381: M10.1@48.438,48.437 50.228,46.647 52.159,46.647 53.162,45.644 53.162,42.25 54.661,40.751 v1(54.661,40.045) ; U6.14@57.353,16.623 57.417,16.56 C24.2@59.004,16.56 ; C2.2@68.758,36.651 70.063,35.346 v1(70.063,34.906) ; v1(77.572,33.249) 77.419,33.401 P5.1@79.807,35.789 P6.3@79.807,38.71
3V3_RF: C18.2 C20.2 M1.2 P28.2 P31.2 U5.5 | length 136.9
  Top Layer w0.381: v1(48.844,16.713) 48.844,16.471 55.829,9.486 55.829,8.28 56.998,7.112 ; v1(59.614,7.976) 58.75,7.112 56.998,7.112 ; P31.2@78.511,25.095 78.511,22.865 81.185,20.192 81.185,8.465 79.731,7.01 73.533,7.01 71.78,5.258 58.852,5.258 56.998,7.112
  Bottom Layer w0.254: C18.2@16.559,48.249 16.559,49.078 17.187,49.707 U5.5@17.187,50.093
  Bottom Layer w0.381: C18.2@16.559,48.249 24.854,39.954 26.187,39.954 27.241,38.9 41.262,38.9 42.596,37.567 42.596,34.925 48.082,29.439 48.082,17.475 v1(48.844,16.713) ; v1(59.614,7.976) 59.614,9.042 60.344,9.773 60.344,16.503 62.395,18.554 64.529,18.554 M1.2@65.837,19.862 ; M1.2@65.735,19.964 C20.2@65.735,22.401 ; P31.2@78.511,25.095 P28.2@78.511,27.889
3V3_WIFI: C11.2 C25.1 C27.2 C28.2 IC1.2 IC1.4 M5.8 R1.1 R2.1 R3.1 R22.1 R25.1 U1.6 U1.7 | length 152.5
  Top Layer w0.203: U1.6@93.942,64.723 U1.7@93.942,65.223 94.842,65.223 95.124,64.942 96.248,64.942 v1(96.806,64.384)
  Top Layer w0.254: v1@84.115,46.112 v1(84.253,45.974) ; 92.155,69.718 92.82,69.053 92.82,67.692 93.942,66.57 U1.7@93.942,65.223
  Top Layer w0.381: v2(53.746,71.425) 71.343,71.425 72.365,70.404 72.365,68.933 73.019,68.279 73.019,68.276 75.463,65.832 81.732,65.832 82.424,66.524 83.603,66.524 86.797,69.718 92.155,69.718 ; v1@84.115,46.112 M5.8@84.115,49.49
  Bottom Layer w0.381: C11.2@30.15,65.201 IC1.2@27.716,65.201 IC1.4@21.916,65.201 28.14,71.425 v2(53.746,71.425) ; C25.1@85.955,45.934 84.293,45.934 v1(84.253,45.974) 83.745,45.466 83.745,42.443 R2.1@84.964,41.224 84.964,40.291 C28.2@86.052,39.203 C27.2@86.052,37.298 86.433,37.679 R1.1@88.09,37.679 ; R3.1@86.996,41.224 88.012,40.208 R25.1@88.012,39.446 88.09,39.369 R1.1@88.09,37.679 ; v1(96.806,64.384) 97.053,64.136 97.053,52.451 99.187,50.317 99.187,44.925 96.979,42.717 96.979,39.726 95.105,37.852 94.326,37.852 94.319,37.859 90.146,37.859 R22.1@90.146,37.679 R1.1@88.09,37.679
5V: B1.1 C1.2 C10.2 C17.2 C22.2 IC2.3 IC3.3 IC4.3 J1.1 M4.1 M6.5 P9.3 P23.3 P26.1 P30.1 R33.2 U5.1 | length 262.2
  Top Layer w0.381: P26.1@7.29,55.026 11.192,58.929 P23.3@13.144,58.929 13.144,54.571 C10.2@14.021,53.695 ; v1(11.54,50.093) 12.537,50.093 IC2.3@12.864,50.42 12.864,52.538 C10.2@14.021,53.695 ; v1(29.403,55.027) 22.585,48.209 ; v1@29.591,55.296 32.614,58.318 P30.1@32.614,60.02 ; v1(49.657,30.404) 49.657,36.081 46.901,38.837 40.31,38.837 37.795,41.351 34.569,41.351 27.711,48.209 22.585,48.209 ; P9.3@55.321,25.4 56.54,24.181 56.54,19.456 55.626,18.542 55.626,13.889 58.886,10.629 67.211,10.629 67.707,11.125 78.562,11.125 v1(80.391,9.296) ; B1.1@78.994,55.9 78.695,55.602 78.695,52.851 80.493,51.054 84.08,51.054 85.117,50.018 85.117,48.717 87.122,46.712 87.122,31.979 v1(86.233,31.09) 86.512,31.09 88.145,29.457 93.352,29.457 94.082,28.727 94.082,26.086 95.479,24.689 95.479,21.036 95.485,21.03 95.485,20.372 95.479,20.366 95.479,9.271 90.119,3.912 85.014,3.912 83.312,2.21 M6.5@83.21,2.21 83.21,2.632 82.931,2.911 C1.2@82.931,4.648 ; M6.5@83.566,1.677 83.566,2.363 M6.5@83.693,2.49 ; C10.2@14.021,53.695 14.326,53.695 v1(15.773,52.248) 16.307,51.714 16.307,48.996 17.093,48.209 22.585,48.209
  Bottom Layer w0.381: J1.1@1.887,38.528 3.628,38.528 8.814,43.713 8.814,50.283 C17.2@10.082,51.551 ; R33.2@10.082,55.615 C17.2@10.082,51.551 ; U5.1@14.406,50.093 v1(11.54,50.093) C17.2@10.082,51.551 ; IC4.3@27.335,47.026 26.862,47.026 24.943,48.945 24.943,52.762 27.208,55.027 IC3.3@27.716,55.027 v1(29.403,55.027) ; v1(49.657,30.404) 49.644,30.404 49.644,28.486 50.8,27.33 53.391,27.33 P9.3@55.321,25.4 ; v1(80.391,9.296) 83.21,6.477 M6.5@83.21,2.21 ; M4.1@85.141,27.229 C22.2@85.141,29.743 86.233,30.836 v1(86.233,31.09)
5V_USB: D1.2 J2.1 | length 5.7
  Top Layer w0.381: D1.2@90.729,53.57 92.302,55.143 J2.1@95.826,55.143
5V_WIFI: C29.2 C30.2 D1.1 IC1.3 P30.2 U1.8 | length 93.9
  Top Layer w0.203: C30.2@91.745,68.372 91.999,68.118 91.999,67.813 93.118,66.694 U1.8@93.118,66.048
  Top Layer w0.381: v1(38.227,61.951) 38.227,61.92 40.671,61.92 41.103,61.488 44.628,61.488 45.567,60.548 48.393,60.548 55.912,53.03 76.505,53.03 77.546,54.071 v1(77.546,54.122) ; v1(79.705,54.275) 81.864,54.275 82.95,55.36 82.95,63.358 86.693,67.102 v1@88.367,67.102 ; v1@88.392,67.127 C29.2@89.611,68.346 91.677,68.346 91.703,68.372 C30.2@91.745,68.372
  Bottom Layer w0.381: IC1.3@27.229,62.901 IC1.3@27.716,62.901 32.298,62.901 P30.2@32.614,62.586 33.909,61.29 37.236,61.29 37.897,61.951 v1(38.227,61.951) ; v1(77.546,54.122) 77.699,54.275 v1(79.705,54.275) ; v1(88.443,67.076) 92.024,63.495 v1(92.024,57.78)
12V: C8.1 C9.1 P7.1 P8.1 P23.1 P29.1 | length 54.8
  Top Layer w0.508: P8.1@2.184,46.406 2.184,57.886 2.21,57.911 2.21,61.154 P29.1@6.291,65.235 ; P29.1@7.29,64.21 6.291,65.209 P29.1@6.291,65.235 ; P23.1@13.144,64.209 14.402,65.466 C9.1@14.402,67.792 ; C8.1@31.598,70.801 31.091,70.295 16.905,70.295 C9.1@14.402,67.792 ; P29.1@6.291,65.235 10.245,69.189 13.005,69.189 C9.1@14.402,67.792
12V_STEP: C6.1 C7.1 M8.9 M9.9 P7.2 P8.2 | length 99.5
  Top Layer w0.508: P8.2@2.184,43.84 3.632,42.393 3.632,31.902 v1(3.607,31.877) ; P7.2@5.791,43.84 8.408,41.223 9.982,41.223 23.75,41.223 27.127,37.846 27.127,32.918 30.051,29.994 39.472,29.994 C6.1@42.012,32.534 46.406,28.14 M8.9@46.406,23.951 ; v1(13.005,28.702) 16.462,28.702 C7.1@20.295,32.534 25.654,27.175 M9.9@25.654,23.951
  Bottom Layer w0.508: v1(3.607,31.877) 3.607,31.547 4.242,30.912 6.452,28.702 v1(13.005,28.702)
BLU_KEY: P1.2 R14.1 R16.2 | length 17.1
  Top Layer w0.254: R16.2@36.093,68.123 36.101,68.13 v1(36.101,69.233)
  Bottom Layer w0.254: v1(36.101,69.233) 40.444,69.233 ; R14.1@38.075,66.666 38.075,66.864 40.444,69.233 ; P1.2@47.346,66.421 44.533,69.233 40.444,69.233
BLU_KEY_HC05: M7.34 P1.1 | length 35.9
  Bottom Layer w0.254: P1.1@46.99,68.27 55.773,68.27 59.024,71.521 79.902,71.521 M7.34@81.082,70.342
BLU_KEY_HC06: M7.26 P1.3 | length 38.5
  Top Layer w0.254: P1.3@47.346,63.932 47.346,63.072 48.669,61.749 49.118,61.749 49.124,61.742 51.308,61.742 51.918,62.352 64.008,62.352 69.444,56.916 v1(76.805,56.916) ; P1.3@47.574,63.932 P1.3@47.786,63.932
  Bottom Layer w0.254: v1(76.805,56.916) 78.231,58.342 M7.26@81.082,58.342
BLUE_ENB: M6.6 R14.2 S3.2 U3.32 | length 106.1
  Top Layer w0.254: S3.2@39.218,69.239 39.218,67.539 v1(41.554,65.202) ; v1(56.947,27.609) 56.521,28.034 56.521,30.674 59.018,33.17 U3.32@60.229,33.17
  Bottom Layer w0.254: R14.2@40.361,66.666 41.554,65.472 v1(41.554,65.202) 41.554,48.006 48.87,40.691 48.87,34.829 49.765,33.934 49.765,31.49 50.8,30.455 54.101,30.455 v1(56.947,27.609) 57.328,27.228 64.529,27.228 66.783,24.974 68.23,23.527 71.118,23.527 71.136,23.545 71.577,23.545 72.936,22.186 72.936,18.503 75.26,16.179 78.228,16.179 81.826,12.581 81.826,9.842 85.75,5.918 M6.6@85.75,2.21
BLUE_RX: M6.2 P2.2 | length 6.8
  Bottom Layer w0.254: P2.2@69.774,3.988 73.812,3.988 M6.2@75.59,2.21 ; M6.2@75.495,1.511 M6.2@75.709,1.549
BLUE_TX: M6.3 P2.1 | length 10.1
  Top Layer w0.254: P2.1@69.774,1.422 72.238,3.886 76.454,3.886 M6.3@78.13,2.21
BOOT0: P5.2 R8.2 | length 12.9
  Top Layer w0.254: v1(69.571,29.642) 75.004,29.642 78.585,33.223 P5.2@79.807,33.223
  Bottom Layer w0.254: R8.2@68.449,29.704 68.576,29.577 68.641,29.642 v1(69.571,29.642)
BOOT1: M2.4 P6.2 P27.3 R9.2 U3.19 | length 58.7
  Top Layer w0.203: 66.012,33.708 67.62,32.1 67.62,30.677 68.402,29.895
  Top Layer w0.254: U3.19@64.195,38.137 64.195,37.094 65.094,36.195 v1(65.1,36.195) ; 66.012,33.708 65.1,34.62 v1(65.1,36.195) ; 68.402,29.895 68.84,29.457 68.84,29.339 69.428,28.752 75.718,28.752 77.953,26.518 79.045,26.518 79.781,25.781 79.781,23.368 82.398,20.752 82.398,19.947 86.055,16.289 88.839,16.289 M2.4@88.951,16.401 ; P6.2@79.807,41.199 77.495,43.51 P27.3@76.124,43.51 70.612,37.998 68.505,37.998 66.701,36.195 v1(65.1,36.195)
  Bottom Layer w0.203: v1(65.1,36.195) 65.1,36.443 65.981,37.324 R9.2@65.981,37.642
BTN: C13.2 R6.1 S2.1 U3.18 | length 40.4
  Top Layer w0.254: R6.1@42.189,50.875 42.189,53.56 43.282,54.652 43.29,54.661 v1(45.466,54.661) ; v1(53.186,40.944) 63.172,40.944 64.192,39.924 64.192,39.483 64.695,38.98 U3.18@64.695,38.137
  Bottom Layer w0.254: C13.2@45.898,56.21 45.466,55.778 v1(45.466,54.661) 45.371,54.566 45.371,45.547 49.974,40.944 v1(53.186,40.944)
BUZZER: R7.1 U3.2 | length 35.2
  Top Layer w0.254: U3.2@68.662,31.67 69.505,31.67 69.728,31.447 69.728,31.073 70.112,30.69 72.142,30.69 73.533,32.08 v1(73.533,32.715)
  Bottom Layer w0.254: v1(73.533,32.715) 73.533,38.43 74.828,39.726 77.064,39.726 77.749,40.411 77.749,44.069 77.013,44.806 75.133,44.806 74.447,45.491 74.447,54.999 R7.1@74.941,55.493
CP2102_DTR: Q7.2 R31.1 U1.28 | length 30
  Top Layer w0.203: v1(89.256,52.011) 89.002,52.265 89.002,54.351 90.348,55.697 91.364,55.697 92.031,56.364 92.031,56.395 92.443,56.808 92.475,56.808 93.118,57.451 U1.28@93.118,61.399
  Bottom Layer w0.203: v1(89.256,52.011) 92.816,52.011 94.712,50.114 95.612,50.114 97.892,47.834 97.892,46.965 96.926,45.999 R31.1@93.854,45.999
  Bottom Layer w0.254: Q7.2@92.991,43.84 92.991,45.136 R31.1@93.854,45.999
CP2102_RTS: Q6.2 R32.2 U1.24 | length 25.4
  Top Layer w0.203: v1(89.689,43.485) 89.867,43.485 89.13,44.221 89.13,50.14 86.131,53.138 86.131,57.15 86.888,57.907 87.989,57.907 89.488,59.405 90.616,60.534 90.816,60.534 91.118,60.836 U1.24@91.118,61.399
  Bottom Layer w0.203: R32.2@88.685,41.453 88.685,43.276 Q6.2@88.914,43.505 88.934,43.485 v1(89.689,43.485)